# Altium PCB FluidGuard(TX).PcbDoc (part 2 of 2) (continued)
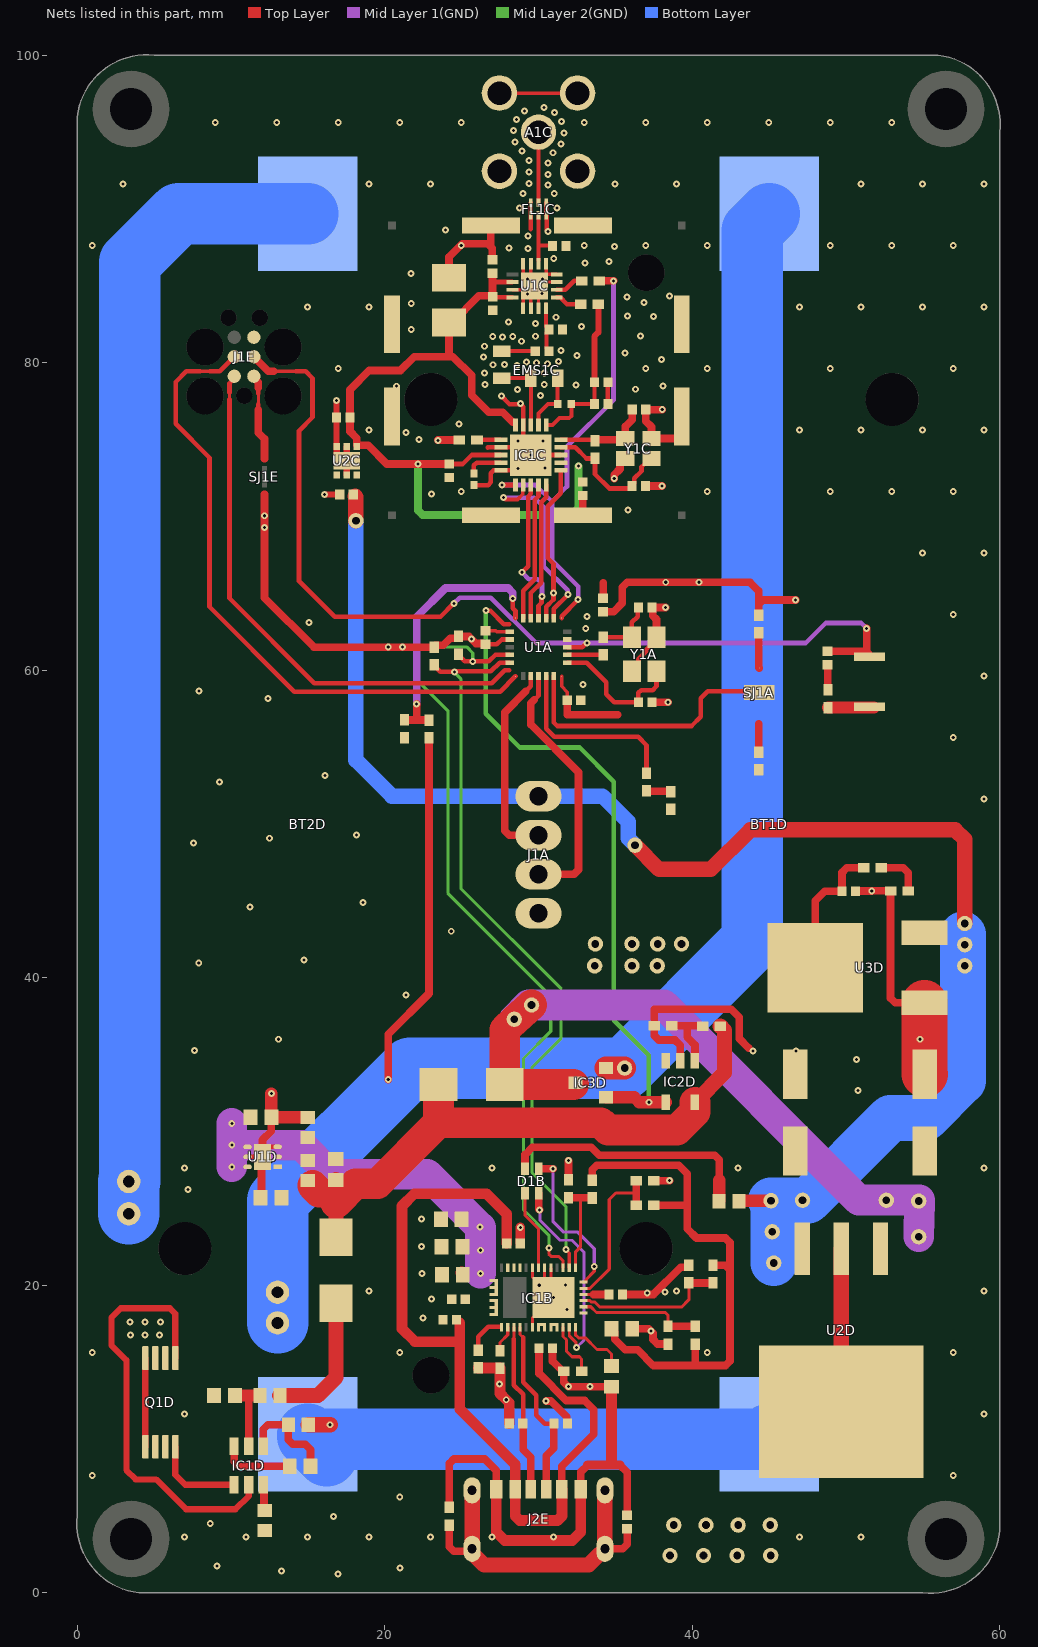
[diagram p4: the nets of this part, all layers, seen from the top]
## Nets (pads, with @x,y where several pads share a name; then routed paths per layer and width w, separated by ;. In a path a pad name is that pad's centre, name@x,y a point inside that pad or via, vN(x,y) a via of type N, cw(c..) or ccw(c..) an arc to the next point about the centre after c; other vN are vias at no path point) (continued)
  Top Layer w0.6: C4B.1@28.815,22.725 v1(28.815,23.765) ; 33.2,8.3 34.7,8.3 ; 34.75,8.35 34.7,8.3 ; 35.3,8.3 34.7,8.3
  Top Layer w0.7: R11B.2@26.08,14.625 26.092,14.613 27.487,14.613 R10B.2@27.5,14.6 27.5,12.95 v1(27.9,12.55) 28.1,12.35 C10B.1@28.1,11 ; J2E.B12@27.25,6.74 27.25,3.95 27.8,3.4 32.2,3.4 32.75,3.95 J2E.A12@32.75,6.74 ; 34.75,8.35 C9B.1@34.75,13.4
  Top Layer w0.8: v1(12.625,32.475) C3D.1@12.625,30.925 14.908,30.925 14.933,30.9 R6D.1@14.983,30.9
  Top Layer w1: U2D.4@49.7,11.777 U2D.2@49.7,22.378
  Top Layer w3: U3D.1@55.1,38.365 55.1,33.75 C7D.2@55.125,33.725
  other v1: 16.95,1.225 13.275,1.425 21,1.6 9.1,1.725 6.975,3.625 10.975,3.625 14.975,3.625 18.975,3.625 22.975,3.625 26.975,3.625 30.975,3.625 46.975,3.625 50.975,3.625 8.65,4.5 16.675,4.95 20.975,6.225 0.975,7.625 56.975,7.625 6.975,11.625 58.975,11.625 27.475,13.575 0.975,15.625 20.975,15.625 40.975,15.625 56.975,15.625 3.475,16.775 4.412,16.775 5.35,16.775 37.304,17.029 3.425,17.6 4.412,17.6 5.4,17.6 22.5,17.875 31.85,18.425 23.05,19.1 37.075,19.5 38.225,19.55 18.975,19.625 38.975,19.625 58.975,19.625 31.75,20.025 22.425,20.75 22.4,22.525 22.4,24.3 7.2,26.225 6.975,27.625 26.975,27.625 42.975,27.625 58.975,27.625 50.775,32.675 50.675,34.675 43.95,35.225 46.75,35.225 7.625,35.275 13.075,36 54.825,36 21.375,38.875 7.9,40.95 14.75,41.15 24.325,43.025 11.225,44.6 18.575,44.9 7.55,48.775 12.5,49.075 18.15,49.275 58.975,51.625 9.25,52.725 16.1,53.15 56.975,55.625 12.4,58.15 7.925,58.65 58.975,59.625 15.075,63.1 56.975,63.625 54.975,67.625 58.975,67.625 35.825,70.425 23.05,71.475 24.975,71.625 40.975,71.625 48.975,71.625 52.975,71.625 56.975,71.625 28.663,73.113 30.425,73.15 28.675,74.9 30.3,74.925 23.475,74.95 22.225,75 21.375,75.475 18.975,75.625 46.975,75.625 50.975,75.625 54.975,75.625 58.975,75.625 24.825,76.025 30.135,77.876 28.625,78.25 36.3,78.275 20.775,78.475 38.1,78.5 32.45,78.55 26.525,78.575 30.374,78.587 26.5,79.325 30.374,79.337 16.975,79.625 36.975,79.625 40.975,79.625 48.975,79.625 56.975,79.625 28.6,79.825 27.047,79.873 27.797,79.874 30.573,79.936 29.875,80 29.208,80.059 31.311,80.071 38,80.2 26.425,80.375 32.5,80.475 35.625,80.625 31.47,80.804 26.5,81.075 28.9,81.4 27.65,81.675 27.025,81.7 28.325,81.7 29.8,81.725 36.625,81.75 21.725,82.175 32.8,82.35 29.8,82.55 28.05,82.65 31.135,82.961 37.475,83 35.8,83.05 14.975,83.625 18.975,83.625 46.975,83.625 50.975,83.625 54.975,83.625 58.975,83.625 21.725,83.85 36.85,83.925 35.75,84.275 38.525,84.35 30.225,84.5 21.7,85.8 33.025,86.5 34.575,86.575 30.99,86.786 29.325,87.425 28.075,87.475 34.95,87.575 0.975,87.625 24.975,87.625 32.975,87.625 36.975,87.625 40.975,87.625 48.975,87.625 52.975,87.625 56.975,87.625 29.325,88.25 30.625,88.525 23.95,88.625 28.775,90.075 31.2,90.075 29,91 31.025,91 30.625,91.575 2.975,91.625 18.975,91.625 22.975,91.625 34.975,91.625 38.975,91.625 50.975,91.625 54.975,91.625 58.975,91.625 29.371,91.663 30.629,92.233 29.371,92.413 30.629,92.983 29.371,93.163 30.95,93.661 28.919,93.762 31.45,94.22 28.484,94.373 31.646,94.944 28.36,95.112 8.975,95.625 12.975,95.625 16.975,95.625 20.975,95.625 24.975,95.625 32.975,95.625 36.975,95.625 40.975,95.625 44.975,95.625 48.975,95.625 52.975,95.625 31.494,95.679 28.582,95.829 31.036,96.273 29.096,96.374 30.364,96.607
GNDS: C1E.1 J2E.SH1 J2E.SH2 J2E.SH3 J2E.SH4 R1E.1 | length 22.8
  Top Layer w0.5: R1E.1@24.2,4.4 24.2,2.993 24.493,2.7 25.52,2.7 J2E.SH1@25.68,2.86 ; J2E.SH2@34.32,2.86 35.47,2.86 35.763,3.153 C1E.1@35.763,4.16
  Top Layer w1: J2E.SH1@25.68,2.587 26.467,1.8 33.26,1.8 34.001,2.541 34.274,2.541 34.32,2.587 J2E.SH2@34.32,2.86 J2E.SH4@34.32,6.66 ; J2E.SH1@25.68,2.86 J2E.SH3@25.68,6.66
LC: C5C.1 L1C.2 | length 2.2
  Top Layer w0.26: L1C.2@27.621,80.75 C5C.1@29.795,80.75
LDO_1V5: C12B.2 IC1B.4 | length 1.7
  Top Layer w0.2: IC1B.4@32.925,19.4 33.575,19.4
  Top Layer w0.5: 33.575,19.4 34.562,19.4 C12B.2@34.587,19.375
LDO_3V3: C13B.2 IC1B.1 R1B.2 R2B.2 R3B.2 R4B.2 | length 35.5
  Top Layer w0.5: R4B.2@33.5,26.825 33.5,27.507 33.793,27.8 39.125,27.8 39.675,27.25 39.675,25.207 ; C13B.2@34.752,17.175 34.952,16.975 34.952,16.498 35.65,15.8 36.45,15.8 37.475,14.775 42.157,14.775 42.45,15.068 42.45,21.007 ; R3B.2@37.5,25.207 39.675,25.207 ; 40.2,14.8 R1B.2@40.2,16.175 ; R2B.2@41.35,21.3 42.157,21.3 42.45,21.007 ; 39.675,25.207 39.675,23.675 40.275,23.075 42.157,23.075 42.45,22.782 42.45,21.007
LED_STATUS: D1A.1 U1A.26 | length 12.2
  Top Layer w0.3: U1A.26@30.5,59.625 30.5,56.2 31.025,55.675 36.475,55.675 37.025,55.125 D1A.1@37.025,53.3
"MCU SWCLK": J1E.4 U1A.22 | length 42.6
  Top Layer w0.2: 8.006,79.45 8.614,79.45
  Top Layer w0.3: 8.006,79.45 7.1,79.45 6.4,78.75 6.4,76.025 8.6,73.825 8.6,64.125 14.125,58.6 27.5,58.6 U1A.22@28.5,59.6 ; 8.614,79.45 9.275,79.45 J1E.4@10.215,80.39
"MCU SWDIO": J1E.2 U1A.21 | length 35.4
  Top Layer w0.2: 9.9,77.639 9.9,78.061
  Top Layer w0.3: 9.9,77.639 9.9,64.675 15.425,59.15 26.95,59.15 27.8,60 U1A.21@28.1,60 ; 9.9,78.061 9.9,78.653 10.215,78.968 J1E.2@10.215,79.12
MCU_BOOT0: SJ1A.3 U1A.27 | length 17.3
  Top Layer w0.3: U1A.27@31,59.625 31,56.6 31.225,56.375 39.95,56.375 40.55,56.975 40.55,58.175 41,58.625 SJ1A.3@43.522,58.625
MCU_OSC_IN: C1A.2 U1A.2 Y1A.1 | length 9.1
  Top Layer w0.3: U1A.2@31.875,60.5 33.125,60.5 34.4,59.225 34.4,58.45 34.929,57.921 C1A.2@36.495,57.921 36.495,58.524 36.671,58.7 37.425,58.7 37.675,58.95 Y1A.1@37.675,59.95
MCU_OSC_OUT: R4A.2 U1A.3 | length 2.3
  Top Layer w0.3: U1A.3@31.875,61 R4A.2@34.212,61
MCU_RESET: C3A.2 J1E.3 S1A.1 U1A.4 | length 64.1
  Top Layer w0.2: 12.757,79.443 12.762,79.447 14.209,79.447
  Top Layer w0.3: 14.209,79.447 14.853,79.447 15.3,79 15.3,76.45 14.425,75.575 14.425,65.8 16.75,63.475 23.625,63.475 v1(24.5,64.35) ; U1A.4@31.875,61.5 32.834,61.5 33.109,61.775 v1(33.15,61.775)
  Top Layer w0.5: J1E.3@11.485,80.39 12.432,79.443 12.757,79.443 ; C3A.2@48.8,61.237 51.163,61.237 cw(c51.163,60.875) 51.347,61.187 ; v1(51.347,62.728) 51.347,61.187 ; S1A.1@51.525,60.875 ccw(c51.163,60.875) 51.347,61.187
  Mid Layer 1(GND) w0.3: v1(24.5,64.35) 24.875,64.725 26.9,64.725 29.85,61.775 v1(33.15,61.775) 47.375,61.775 48.675,63.075 51,63.075 v1(51.347,62.728)
NetC1D_1: C1D.1 R2D.1 R6D.2 U1D.2
NetC2A_2: C2A.2 R4A.1 Y1A.3 | length 4
  Top Layer w0.3: R4A.1@34.212,62.15 Y1A.3@36.075,62.15 36.075,63.12 36.444,63.489 36.444,64.029 C2A.2@36.495,64.079
NetC4C_1: C4C.1 IC1C.19 | length 2.3
  Top Layer w0.3: C4C.1@25.8,72.8 25.8,73.324 25.976,73.5 IC1C.19@27.55,73.5
NetC4D_2: C4D.2 IC1D.4 R4D.2 | length 6.6
  Top Layer w0.5: IC1D.4@12.1,9.525 12.1,10.632 12.393,10.925 R4D.2@13.725,10.925 13.725,9.943 14.018,9.65 14.825,9.65 15.175,9.3 C4D.2@15.175,8.225
NetC5D_2: C5D.2 IC1D.5 R3D.2 | length 5
  Top Layer w0.5: 11.063,12.828 11.15,12.741 IC1D.5@11.15,9.525
  Top Layer w0.8: C5D.2@10.25,12.825 10.253,12.828 11.063,12.828 11.872,12.828 R3D.2@11.875,12.831
NetC7D_1: C7D.1 D2D.2 IC3D.3 pad.22 pad.26 pad.27 pad.28 pad.29 U2D.1 | length 44.8
  Top Layer w2: pad.22@29.55,38.225 28.477,37.244 27.797,36.622 D2D.2@27.797,33.05 IC3D.3@32.275,33.05
  Mid Layer 1(GND) w2: pad.26@28.425,37.3 29.35,38.225 pad.22@29.55,38.225 38.15,38.225 50.825,25.55 54.775,25.55 pad.28@54.725,25.475 54.775,25.4 pad.29@54.725,23.15
NetC9B_2: C9B.2 IC1B.38 | length 4.1
  Top Layer w0.2: IC1B.38@32.4,17.275 32.4,16.775 32.6,16.575 33.05,16.575 33.8,15.825 34.45,15.825 34.75,15.525 C9B.2@34.75,14.75
NetC12C_2: C12C.2 IC1C.10 R4C.1 Y1C.1 | length 6.4
  Top Layer w0.3: IC1C.10@31.45,75 33.6,75 R4C.1@33.675,74.925
  Top Layer w0.5: R4C.1@33.675,74.925 33.675,74.948 33.725,74.998 35.577,74.998 Y1C.1@35.65,75.071 35.65,75.85 36.1,76.3 C12C.2@36.1,76.95
NetC13C_2: C13C.2 IC1C.9 R4C.2 Y1C.3 | length 8.8
  Top Layer w0.3: IC1C.9@31.45,74.5 32.399,74.5 33.124,73.775 R4C.2@33.675,73.775 33.675,72.75 34.6,71.825 35.935,71.825 36.085,71.975 C13C.2@36.085,71.99 36.235,72.14 36.235,72.485 36.7,72.95 36.7,73.221 37.25,73.771 Y1C.3@37.35,73.771
NetD1A_2: D1A.2 R2A.2 | length 1.6
  Top Layer w0.5: D1A.2@37.025,52.15 37.05,52.125 38.575,52.125 R2A.2@38.6,52.1
NetD1B_3: D1B.3 R12B.2 | length 16.8
  Top Layer w0.5: D1B.3@29.125,27.575 29.125,28.5 29.6,28.975 33.425,28.975 33.95,28.45 41.457,28.45 41.75,28.157 41.75,26.825
  Top Layer w0.8: R12B.2@41.75,25.475 41.75,26.825
NetD3D_2: D3D.2 R10D.2 | length 3.1
  Top Layer w0.5: D3D.2@52.3,47.15 53.725,47.15 54.05,46.825 R10D.2@54.05,45.65
NetIC1B_26: IC1B.26 R11B.1 | length 2.6
  Top Layer w0.3: R11B.1@26.08,15.775 26.08,16.655 26.725,17.3 IC1B.26@27.55,17.3
NetIC1B_27: IC1B.27 R10B.1 | length 1.7
  Top Layer w0.2: R10B.1@27.5,15.75 27.5,16.275 28,16.775 IC1B.27@28,17.275
NetIC1B_36: IC1B.36 R9B.1 | length 3.7
  Top Layer w0.19: IC1B.36@31.6,17.275 31.6,16.675 31.825,16.45 31.825,15.7
  Top Layer w0.2: 31.825,15.7 32.175,15.35 32.65,15.35 32.8,15.2 R9B.1@32.8,14.4
NetIC1C_12: IC1C.12 L2C.2 L3C.1 | length 3.9
  Top Layer w0.26: IC1C.12@30,75.95 30,76.7 30.625,77.325 31.246,77.325 L3C.1@31.25,77.321 L2C.2@31.25,79
NetIC1C_16: IC1C.16 R1C.2 | length 1.6
  Top Layer w0.3: R1C.2@26,74.975 26.025,75 IC1C.16@27.55,75
NetIC1D_1: IC1D.1 Q1D.4 | length 5.9
  Top Layer w0.4: Q1D.4@6.375,9.495 6.375,7.675 7.025,7.025 IC1D.1@10.2,7.025
NetIC1D_2: IC1D.2 Q1D.5 | length 27.9
  Top Layer w0.4: Q1D.5@6.375,15.255 6.375,18.15 6.025,18.5 2.825,18.5 2.225,17.9 2.225,16.1 3.2,15.125 3.2,7.975 3.8,7.375 5.125,7.375 7.075,5.425 10.291,5.425 11.15,6.284 IC1D.2@11.15,7.025
NetIC1D_3: IC1D.3 R7D.2 | length 1.7
  Top Layer w0.5: IC1D.3@12.1,7.025 12.15,6.975 12.15,5.5 R7D.2@12.25,5.4
NetIC2D_1: IC2D.1 R8D.1 R9D.2 | length 4.5
  Top Layer w0.5: R9D.2@38.675,36.9 38.7,36.875 39.675,36.875 ; IC2D.1@40.175,34.6 40.175,35.625 39.675,36.125 39.675,36.875 ; R8D.1@40.675,36.85 40.65,36.875 39.675,36.875
NetJ1E_1: J1E.1 SJ1E.1 | length 5.7
  Top Layer w0.2: 11.775,77.3 11.775,78.003
  Top Layer w0.3: 11.775,76.95 11.775,77.3 ; 11.775,78.003 11.775,78.393
  Top Layer w0.5: J1E.1@11.485,79.12 11.485,79.022 11.775,78.732 11.775,78.393 ; 11.775,76.95 11.775,75.45 12.175,75.05 12.175,73.75
NetQ1D_1: Q1D.1 Q1D.8 | length 5.8
  Top Layer w0.4: Q1D.1@4.425,9.495 Q1D.8@4.425,15.255
NetR1A_1: R1A.1 SJ1A.2 | length 2.3
  Top Layer w0.5: R1A.1@44.325,62.425 44.325,60.175 SJ1A.2@44.35,60.15
NetR2C_1: R2C.1 U1C.5 | length 1.7
  Top Layer w0.3: U1C.5@31.195,84.25 31.401,84.25 31.851,83.8 R2C.1@32.75,83.8
NetR3A_2: R3A.2 SJ1A.1 | length 1.8
  Top Layer w0.5: R3A.2@44.325,54.675 44.325,56.525
NetR3C_1: R3C.1 U1C.6 | length 1.8
  Top Layer w0.3: U1C.6@31.195,84.75 31.75,84.75 32.325,85.325 R3C.1@32.8,85.325
NetR5A_2: R5A.2 S1A.2 | length 3.8
  Top Layer w0.5: S1A.2@50.75,57.575 50.8,57.625 S1A.2@51.525,57.625
  Top Layer w0.8: R5A.2@48.825,57.575 S1A.2@51.825,57.575
NRF_ANT: C5C.2 C6C.2 U1C.4 | length 3.2
  Top Layer w0.26: U1C.4@30.5,83.776 30.5,82.349 30.675,82.174 C6C.2@30.675,82.154 30.505,81.984 30.505,80.92 C5C.2@30.675,80.75
PD_SCL: IC1B.9 R7A.1 U1A.19 | length 54
  Top Layer w0.2: v1(30.675,22.425) 30.675,22.025 30.825,21.875 31.3,21.875 31.6,21.575 IC1B.9@31.6,21.125
  Top Layer w0.3: R7A.1@24.8,61.05 24.8,60.975 25.2,60.575 v1(25.725,60.575) 26.775,60.575 27.2,61 U1A.19@28.125,61
  Mid Layer 2(GND) w0.2: v1(25.725,60.575) 25.725,61.125 25.325,61.525 22.425,61.525 22.05,61.15 22.05,59.425 24.1,57.375 24.1,45.5 30.797,38.803 30.797,36.522 29.025,34.75 29.025,24.9 30.675,23.25 v1(30.675,22.425)
PD_SDA: IC1B.8 R6A.1 U1A.20 | length 48.8
  Top Layer w0.2: v1(31.775,22.325) 32,22.1 IC1B.8@32,21.125
  Top Layer w0.3: R6A.1@23.225,60.35 23.225,60.275 23.6,59.9 v1(24.525,59.9) 24.55,59.925 26.9,59.925 27.475,60.5 U1A.20@28.125,60.5
  Mid Layer 2(GND) w0.2: v1(24.525,59.9) 24.525,59.866 24.95,59.441 24.95,45.8 31.475,39.275 31.475,36.075 29.575,34.175 29.575,27.325 31.775,25.125 v1(31.775,22.325)
PLG_EVENT: D1B.1 IC1B.37 | length 13.4
  Top Layer w0.19: D1B.1@30.025,25.975 D1B.1@30.05,25.95 ; IC1B.37@32,17.275 32,16.715 32.425,16.29 32.425,16 v1(32.475,15.95)
  Top Layer w0.5: D1B.1@30.025,25.975 30.025,24.95 v1(30.075,24.9)
  Mid Layer 1(GND) w0.19: v1(30.075,24.9) 30.1,24.875 30.1,24.225 31.4,22.925 32.175,22.925 32.95,22.15 32.95,16.425 v1(32.475,15.95)
PLG_FLIP: D1B.2 IC1B.13 | length 5.2
  Top Layer w0.2: D1B.2@29.125,25.975 29.125,24.55 30,23.675 IC1B.13@30,21.125
PWR_SENSE: IC2D.4 IC3D.1 U1A.15 | length 44.5
  Top Layer w0.3: v1(26.575,63.875) 26.875,63.875 27.75,63 U1A.15@28.1,63
  Top Layer w0.8: IC3D.1@34.4,32.225 36.225,32.225 36.55,31.9 v1(37.175,31.9) IC2D.4@38.275,31.9
  Mid Layer 2(GND) w0.3: v1(26.575,63.875) 26.575,57.175 28.775,54.975 32.675,54.975 34.9,52.75 34.9,37.225 37.175,34.95 v1(37.175,31.9)
RF: IC1C.13 L1C.1 L2C.1 | length 4.9
  Top Layer w0.26: L1C.1@27.621,79 L2C.1@29.5,79 IC1C.13@29.5,75.95
RF_ANT: C9C.2 FL1C.2 U1C.10 | length 3.9
  Top Layer w0.26: U1C.10@30,86.667 30,87.875 FL1C.2@30,89.6 ; 30,87.625 30.885,87.625 C9C.2@30.91,87.6
RF_ANT-OUT: A1C.S FL1C.5 | length 4.6
  Top Layer w0.26: FL1C.5@30,90.4 A1C.S@30,95
RF_CE: IC1C.1 R3C.2 U1A.8 | length 30.2
  Top Layer w0.3: v1(27.625,72.05) IC1C.1@28.5,72.05 ; U1A.8@31.5,63.4 31.5,63.525 v1(32.575,64.6)
  Top Layer w0.5: R3C.2@33.95,85.325 v1(34.875,85.325)
  Mid Layer 1(GND) w0.3: v1(27.625,72.05) 29.8,72.05 30.875,70.975 ; v1(32.575,64.6) 32.575,65.45 30.875,67.15 30.875,70.975 ; v1(34.875,85.325) 34.875,77.55 31.85,74.525 31.85,71.95 30.875,70.975
RF_CSN: IC1C.2 U1A.9 | length 13.2
  Top Layer w0.25: v1(27.725,71.225) 27.85,71.1 28.625,71.1 28.975,71.45 28.975,72 29.025,72.05 IC1C.2@29,72.05
  Top Layer w0.3: U1A.9@31,63.375 31,64 v1(31.925,64.925)
  Mid Layer 1(GND) w0.3: v1(27.725,71.225) 29.724,71.225 30.325,70.624 30.325,66.775 31.896,65.204 31.896,64.954 v1(31.925,64.925)
RF_IRQ: IC1C.6 U1A.10 | length 10.3
  Top Layer w0.3: U1A.10@30.5,63.375 30.5,64.125 30.975,64.6 v1(30.975,65.025) 30.975,66.925 30.6,67.3 30.6,70.675 31.45,71.525 IC1C.6@31.45,73
RF_MISO: IC1C.5 U1A.12 | length 9.1
  Top Layer w0.3: U1A.12@29.5,63.375 29.5,65.025 30.175,65.7 30.175,70.925 30.5,71.25 IC1C.5@30.5,72.05
RF_MOSI: IC1C.4 U1A.13 | length 9.1
  Top Layer w0.3: U1A.13@29,63.375 29,65.175 29.75,65.925 29.75,71.075 30,71.325 IC1C.4@30,72.05
RF_SCK: IC1C.3 U1A.11 | length 9.9
  Top Layer w0.3: v1(28.925,66.375) 29.325,66.775 29.325,71.3 29.5,71.475 IC1C.3@29.5,72.05 ; U1A.11@30,63.375 30,64.2 30.196,64.396 30.196,64.771 v1(30.225,64.8)
  Mid Layer 1(GND) w0.3: v1(28.925,66.375) 29.378,65.922 29.953,65.922 30.225,65.65 v1(30.225,64.8)
RF_VDD: C1C.2 C2C.1 C3C.2 C7C.2 C8C.1 C15C.2 IC1C.7 IC1C.15 IC1C.18 U1C.14 U1C.16 U2C.1 | length 54.3
  Top Layer w0.3: C1C.2@24.196,73.415 25.065,73.415 25.65,74 IC1C.18@27.55,74 ; C8C.1@26.975,84.35 C8C.1@27.025,84.3 27.075,84.25 U1C.16@28.305,84.25 ; 27.013,85.25 U1C.14@28.305,85.25
  Top Layer w0.5: C1C.2@24.196,73.415 v1(22.165,73.415) 20.135,73.415 18.919,74.631 18.175,74.631 18.175,75.1 17.74,75.535 C15C.2@17.74,76.45 17.74,78.24 19,79.5 21.025,79.5 21.925,80.4 24.175,80.4 ; C8C.1@26.975,84.35 26.125,84.35 24.39,82.615 C2C.1@24.175,82.615 24.175,80.4 ; C7C.2@27,85.825 27.013,85.812 27.013,85.25 C8C.1@27.013,84.35 ; IC1C.15@28.4,76.125 28.325,76.125 27.675,76.775 26.775,76.775 25.65,77.9 25.65,79.175 24.425,80.4 24.175,80.4
  Mid Layer 2(GND) w0.5: v1(22.165,73.415) 22.165,70.393 22.458,70.1 32.125,70.1 32.6,70.575 v1(32.6,73.275)
SEN_ECHO: J1A.3 U1A.25 | length 16.8
  Top Layer w0.3: 29.725,58.075 30,58.35 U1A.25@30,59.625
  Top Layer w0.5: 29.725,58.075 29.5,57.85 29.5,56.475 32.6,53.375 32.6,47.023 32.307,46.73 J1A.3@30,46.73
SEN_TRIG: J1A.2 U1A.24 | length 13.1
  Top Layer w0.3: 29.175,58.625 29.5,58.95 U1A.24@29.5,59.625
  Top Layer w0.5: 29.175,58.625 27.8,57.25 27.8,49.563 28.093,49.27 J1A.2@30,49.27
USB: C1B.2 C2B.2 C3B.1 C3D.2 IC1B.20 IC1B.21 IC1B.22 IC1B.41 U1D.4 U1D.6 | length 24.4
  Top Layer w0.8: C1B.2@25,20.816 25.075,20.741 C1B.2@25.075,20.691
  Mid Layer 1(GND) w2: v1(10.05,27.7) v1(10.05,29.112) ; v1(10.05,30.525) v1(10.05,29.112) ; v1(26.225,20.775) v1(26.225,22.275) 26.225,23.75 v1(26.2,23.775) 22.75,27.225 16.475,27.225 cw(c16.475,27.25) 16.45,27.25 14.588,29.112 v1(10.05,29.112)
VBUS: C4B.2 C5B.2 C6B.2 C7B.2 IC1B.18 IC1B.23 IC1B.24 IC1B.25 IC1B.32 IC1B.33 IC1B.42 IC1B.43 J2E.A9 J2E.B9 | length 52.9
  Top Layer w0.5: C7B.2@30.035,15.9 30.035,14.265 31.8,12.5 33,12.5 33.6,11.9 33.6,10.3 31.52,8.22 J2E.A9@31.52,6.74
  Top Layer w0.7: C6B.2@24.875,17.54 24.875,16.325 ; C4B.2@27.935,22.725 27.935,24.64 26.625,25.95 21.925,25.95 21.125,25.15 21.125,17.175 21.975,16.325 24.875,16.325 ; J2E.A9@31.52,6.74 31.52,4.993 31.227,4.7 28.773,4.7 28.48,4.993 J2E.B9@28.48,6.74 28.48,8.345 24.875,11.95 24.875,16.325
VCC: C1D.2 C2D.2 D1D.1 D2D.1 IC2D.5 R2D.2 R8D.2 U1D.1 | length 39.5
  Top Layer w1: C1D.2@16.8,26.85 cw(c16.8,26.825) 16.825,26.825 16.825,25.325 D1D.1@16.825,23.125 ; IC2D.5@40.175,31.9 42.1,33.825 42.1,36.575 R8D.2@41.825,36.85
  Top Layer w2: R2D.2@15.308,26.483 15.725,26.066 ; 16.825,25.325 18.1,26.6 19.525,26.6 23.497,30.572 ; D2D.1@23.497,33.05 23.497,30.572 ; IC2D.5@40.175,31.9 40.175,31.272 39.003,30.1 34.525,30.1 34.053,30.572 23.497,30.572
VDD_PA: C10C.2 C11C.2 IC1C.11 L3C.2 R2C.2 | length 10.8
  Top Layer w0.26: IC1C.11@30.5,75.95 30.9,75.95 31.35,76.4 31.998,76.4 32.15,76.552 32.15,77.301 L3C.2@32.13,77.321 L3C.2@32.13,77.321 33.633,77.323 C10C.2@33.635,77.325 C11C.2@33.635,78.729
  Top Layer w0.4: C11C.2@33.635,78.729 33.635,81.71 33.9,81.975 R2C.2@33.9,83.8
pads on no net: BT1D. BT2D. EMS1C.SH@20.475,70.075 EMS1C.SH@20.475,88.925 EMS1C.SH@39.325,70.075 EMS1C.SH@39.325,88.925 IC1B.10 IC1B.15 IC1B.19 IC1B.30 IC1B.40 J1E.6 J1E.MH SJ1A.J SJ1E.J U1A.6 U1A.7 U1A.18 U1A.23 U1C.13

## Polygon pours and split planes (outlines as drawn)
GND on Top Layer "GND_L01_P016" (solid, pour order 16): 4.75,13.475 4.85,13.375 6,13.375 6.05,13.425 6.05,17.5 5.6,17.95 2.875,17.95 2.75,17.825 2.75,16.725 3.125,16.35 4.625,16.35 4.75,16.225 4.75,15.225
GND on Top Layer "GND_L01_P030" (solid, remove dead copper, pour order 30): 0,5 0,96 cw(c4.5,95.5) 5,100 56,100 cw(c55.5,95.5) 60,95 60,4 cw(c55.5,4.5) 55,0 4,0 cw(c4.5,4.5)
+5V on Top Layer "+5V_L01_P029" (solid, pour order 29): 16.6,72.975 17.075,72.975 17.2,72.85 17.2,72.35 17.3,72.25 17.75,72.25 17.875,72.375 17.875,72.9 17.95,72.975 18.425,72.975 18.525,72.875 18.525,71.175 18.35,71 17.65,71 17.525,71.125 17.525,71.925 17.4,72.05 16.725,72.05 16.5,72.275 16.5,72.85
RF_VDD on Top Layer "RF_VDD_L01_P028" (solid, pour order 28): 30.975,73.675 31,73.7 32.675,73.7 33.05,73.325 33.05,73.1 33.275,72.875 33.275,71.9 33.2,71.825 32.525,71.825 32.275,72.075 32.275,73.05 32.075,73.25 31,73.25 30.975,73.275
+3V3 on Top Layer "+3V3_L01_P027" (solid, pour order 27): 31.625,60.2 31.65,60.225 32.875,60.225 33.2,59.9 33.2,57.7 33.05,57.55 32.475,57.55 32.35,57.675 32.35,59.575 32.125,59.8 31.75,59.8 31.625,59.925
+3V3 on Top Layer "+3V3_L01_P026" (solid, pour order 26): 31.575,62.2 31.6,62.25 32.225,62.25 32.775,62.8 32.775,63.6 33.375,64.2 34.75,64.2 34.95,64 34.95,63.1 34.825,62.975 33.675,62.975 33.425,62.725 33.425,62.05 33.15,61.775 31.612,61.775 31.575,61.85
+5V on Top Layer "+5V_L01_P025" (solid, pour order 25): 53.4,43.7 53.8,44.1 56.8,44.1 57.075,44.375 59.175,44.375 59.575,43.975 59.575,39.825 59.15,39.4 57.7,39.4 56.775,40.325 56.775,40.775 55.975,41.575 53.9,41.575 53.4,42.075
GND on Top Layer "GND_L01_P022" (solid, pour order 22): 45.1,35.25 45.725,35.875 56.275,35.875 57.3,34.85 57.3,31.975 57,31.675 53.05,31.675 52.175,30.8 52.175,27.525 51.025,26.375 51.025,18.025 53.5,15.55 53.5,13.975 47.9,13.975 47.175,14.7 47.175,16.425 48.725,17.975 48.725,30.55 47.675,31.6 45.625,31.6 45,32.225 45,35.15
+3V3 on Top Layer "+3V3_L01_P024" (solid, pour order 24): 52.025,37.475 52.025,43.575 51.1,44.5 41.325,44.5 39.875,43.05 33.35,43.05 32.775,42.475 32.775,36.025 33.6,35.2 35.8,35.2 35.8,35.95 36.125,36.275 36.125,37.875 36.725,38.475 42.775,38.475 44.425,36.825 51.375,36.825
+3V3 on Top Layer "+3V3_L01_P023" (solid, pour order 23): 38.675,35.25 38.725,35.2 38.725,33.5 38.425,33.2 37.25,33.2 36.65,33.8 36.65,34.6 36.05,35.2 34.55,35.2 33.95,35.8 33.95,36.55 34.125,36.725 36.125,36.725 37.381,35.469 38.453,35.469
NetC7D_1 on Top Layer "NETC7D_1_L01_P021" (solid, pour order 21): 51.4,20.65 51.775,20.275 54,20.275 56,22.275 56,25.05 56.675,25.725 56.675,30.575 56.1,31.15 53.65,31.15 53.25,30.75 53.25,27.45 51.4,25.6
+5V on Top Layer "+5V_L01_P020" (solid, pour order 20): 45.15,31 47.525,31 48.225,30.3 48.225,25.25 48.225,20.525 47.525,19.825 44.975,19.825 44.325,20.475 44.325,30.175
GND on Top Layer "GND_L01_P019" (solid, pour order 19): 44.9,16.55 55.275,16.55 56.225,15.6 56.225,7.875 54.425,6.075 50.675,6.075 45.725,1.125 38.6,1.125 36.95,2.775 36.95,9.95 40.8,13.8 42.15,13.8
BCOM on Top Layer "BCOM_L01_P018" (solid, pour order 18): 9.493,11.975 9.493,14.343 10.225,15.075 10.225,24.75 7.05,27.925 1.625,27.925 1,27.3 1,20.575 2.35,19.225 6.375,19.225 7.468,18.132 7.468,12.382 7.85,12
BAT on Top Layer "BAT_L01_P017" (solid, pour order 17): 12.638,13.475 12.638,13.4 12.638,12.225 12.888,11.975 17.588,11.975 18.688,13.075 18.688,20.225 18.138,20.775 15.313,20.775 15.213,20.775 11.375,20.775 11.275,20.675 11.275,15.288 12.638,13.925
BCOM on Top Layer "BCOM_L01_P015" (solid, pour order 15): 4.843,8.625 5.968,8.625 6.043,8.7 6.043,10.35 6.243,10.55 8.768,10.55 9.493,9.825 9.493,8.475 9.943,8.025 10.293,8.025 10.625,8.357 10.625,10.843 9.493,11.975 9.493,13.8 9.268,14.025 9.243,14 8.218,14 7.468,13.25 7.468,12.775 6.843,12.15 5.368,12.15 4.793,11.575 4.793,8.725
VCC on Top Layer "VCC_L01_P014" (solid, pour order 14): 12.725,27.9 12.775,27.95 13.825,27.95 14.35,27.425 15.775,27.425 15.85,27.35 17.425,27.35 17.525,27.25 17.525,26.3 17.4,26.175 14.075,26.175 13.85,25.95 13.85,25.125 13.775,25.05 12.775,25.05 12.725,25.1 12.725,27.55 12.725,25.1 12.725,27.55
NetC1D_1 on Top Layer "NETC1D_1_L01_P013" (solid, pour order 13): 12.75,28.275 12.75,28.45 12.825,28.525 13.325,28.525 13.5,28.7 13.5,29.275 13.7,29.475 13.7,30.1 15.525,30.1 15.75,29.875 15.75,29.125 16.1,28.775 17.475,28.775 17.475,27.725 17.375,27.625 15.9,27.625 14.475,27.625 13.925,28.175 12.85,28.175 12.825,28.2 12.85,28.175 12.825,28.2
USB on Top Layer "USB_L01_P012" (solid, pour order 12): 11.75,31.45 10.225,31.45 9.625,30.85 9.625,27.425 9.975,27.075 11.175,27.075 11.375,27.275 11.375,27.95 10.725,27.95 10.65,28.025 10.65,28.7 10.75,28.8 11.375,28.8 11.375,29.725 11.75,30.1 11.75,31.125
USB on Top Layer "USB_L01_P007" (solid, pour order 7): 24.55,24.8 24.55,20.175 24.775,19.95 25.9,19.95 26.6,19.25 27.3,19.25 27.35,19.3 27.35,20.4 26.825,20.4 26.75,20.4 26.6,20.55 26.6,24.05 25.85,24.8
LDO_3V3 on Top Layer "LDO_3V3_L01_P011" (solid, pour order 11): 32.65,18.3 33.4,18.3 33.575,18.125 33.575,17.875 33.775,17.675 35.225,17.675 35.225,16.4 35.025,16.2 33.925,16.2 32.825,17.3 32.825,17.85 32.65,18.025
GND on Top Layer "GND_L01_P010" (solid, pour order 10): 24.15,20.125 24.7,19.575 24.7,18.725 24.125,18.15 24.125,17.25 23.975,17.1 22.35,17.1 21.825,17.625 21.825,24.825 22.225,25.225 23.95,25.225 24.15,25.025
GND on Top Layer "GND_L01_P009" (solid, pour order 9): 29.125,23.05 29.125,22.15 28.9,21.925 28.9,20.85 28.3,20.85 28.3,21.473 28.5,21.673 28.5,23.05
VBUS on Top Layer "VBUS_L01_P008" (solid, pour order 8): 27.625,23.05 28.225,23.05 28.225,21.725 28.1,21.6 28.1,20.85 27.9,20.85 27.9,21.575 27.625,21.85 27.625,22.45
GND on Top Layer "GND_L01_P006" (solid, pour order 6): 30.7,18.125 31.3,18.125 31.3,16.65 31.225,16.575 31.225,15.55 30.6,15.55 30.6,16.575 30.7,16.675
VBUS on Top Layer "VBUS_L01_P005" (solid, pour order 5): 29.9,17.55 30.5,17.55 30.5,16.975 30.325,16.8 30.325,15.55 29.725,15.55 29.725,16.575 29.9,16.75
VBUS on Top Layer "VBUS_L01_P004" (solid, pour order 4): 25.875,19.4 26.175,19.1 27.375,19.1 27.375,17.95 26.6,17.95 26.15,17.725 25.5,17.075 24.375,17.075 24.375,18.075 24.375,18.1 24.8,18.425 24.875,18.5 24.875,19.375 24.9,19.4
GND on Mid Layer 2(GND) "GND_L03_P034" (solid, remove dead copper, pour order 34): 0,5 0,96 cw(c4.5,95.5) 5,100 56,100 cw(c55.5,95.5) 60,95 60,4 cw(c55.5,4.5) 55,0 4,0 cw(c4.5,4.5)
+3V3 on Mid Layer 2(GND) "+3V3_L03_P031" (solid, remove dead copper, pour order 31): 13.9,84.65 cw(c13.9,83.075) 15.475,83.075 15.475,69.29 ccw(c18.015,69.29) 18.015,66.75 52.385,66.75 cw(c52.385,64.21) 54.925,64.21 54.925,33.44 cw(c52.385,33.44) 52.385,30.9 6.215,30.9 cw(c6.215,33.44) 3.675,33.44 3.675,82.11 cw(c6.215,82.11) 6.215,84.65 6.5,84.65
GND on Bottom Layer "GND_L04_P032" (solid, pour order 32): 0,5 0,96 cw(c4.5,95.5) 5,100 56,100 cw(c55.5,95.5) 60,95 60,4 cw(c55.5,4.5) 55,0 4,0 cw(c4.5,4.5)
GND on Mid Layer 1(GND) "GND_L02_P033" (solid, remove dead copper, pour order 33): 0,5 0,96 cw(c4.5,95.5) 5,100 56,100 cw(c55.5,95.5) 60,95 60,4 cw(c55.5,4.5) 55,0 4,0 cw(c4.5,4.5)

## Silkscreen, mask and mechanical layers (free items; w line width, h text height)
Top Overlay:
  drawing of 5 lines, arcs and shapes, not listed
  text "NRST" at 53.5,60.725 h1 r270
  text "BOOT" at 41.15,60.425 h1 r270
  text "+5V" at 23.729,51.004 h1.5
  text "TRIG" at 22.479,48.429 h1.5
  text "ECHO" at 22.229,45.854 h1.5
  text "GND" at 23.729,43.279 h1.5
  text "FLUIDGUARD V1.0" at 3.75,35.375 h1.8 r90
Bottom Overlay:
  drawing of 3 lines, arcs and shapes, not listed
  text "+" at 43.675,76.334 h4
  text "-" at 13.45,72.776 h4
  text "+" at 30.858,53.95 h2 r90
  text "-" at 31,40.9 h2 r90
  text "+" at 13.45,20.334 h4
  text "-" at 43.65,19.001 h4
Bottom Assembly:
  drawing of 5 lines, arcs and shapes, not listed

## Text inside footprints (layer, text, board x,y; h text height)
U1C: Top 3D Body "*" at 29.385,83.616 h1.27 r90